# Altium PCB PCB.PcbDoc (part 3 of 3)
Units mm, origin at the board's own origin, x right, y up, seen from the top; angles counter-clockwise.
Board outline 125.05 x 120.1 mm, 2 copper layers (L1_Top, L14_Bot), stack 1.671 mm thick; 216 components, 143 nets, 610 pads, 970 vias.
Unrouted connection lines stored in the file: 121.
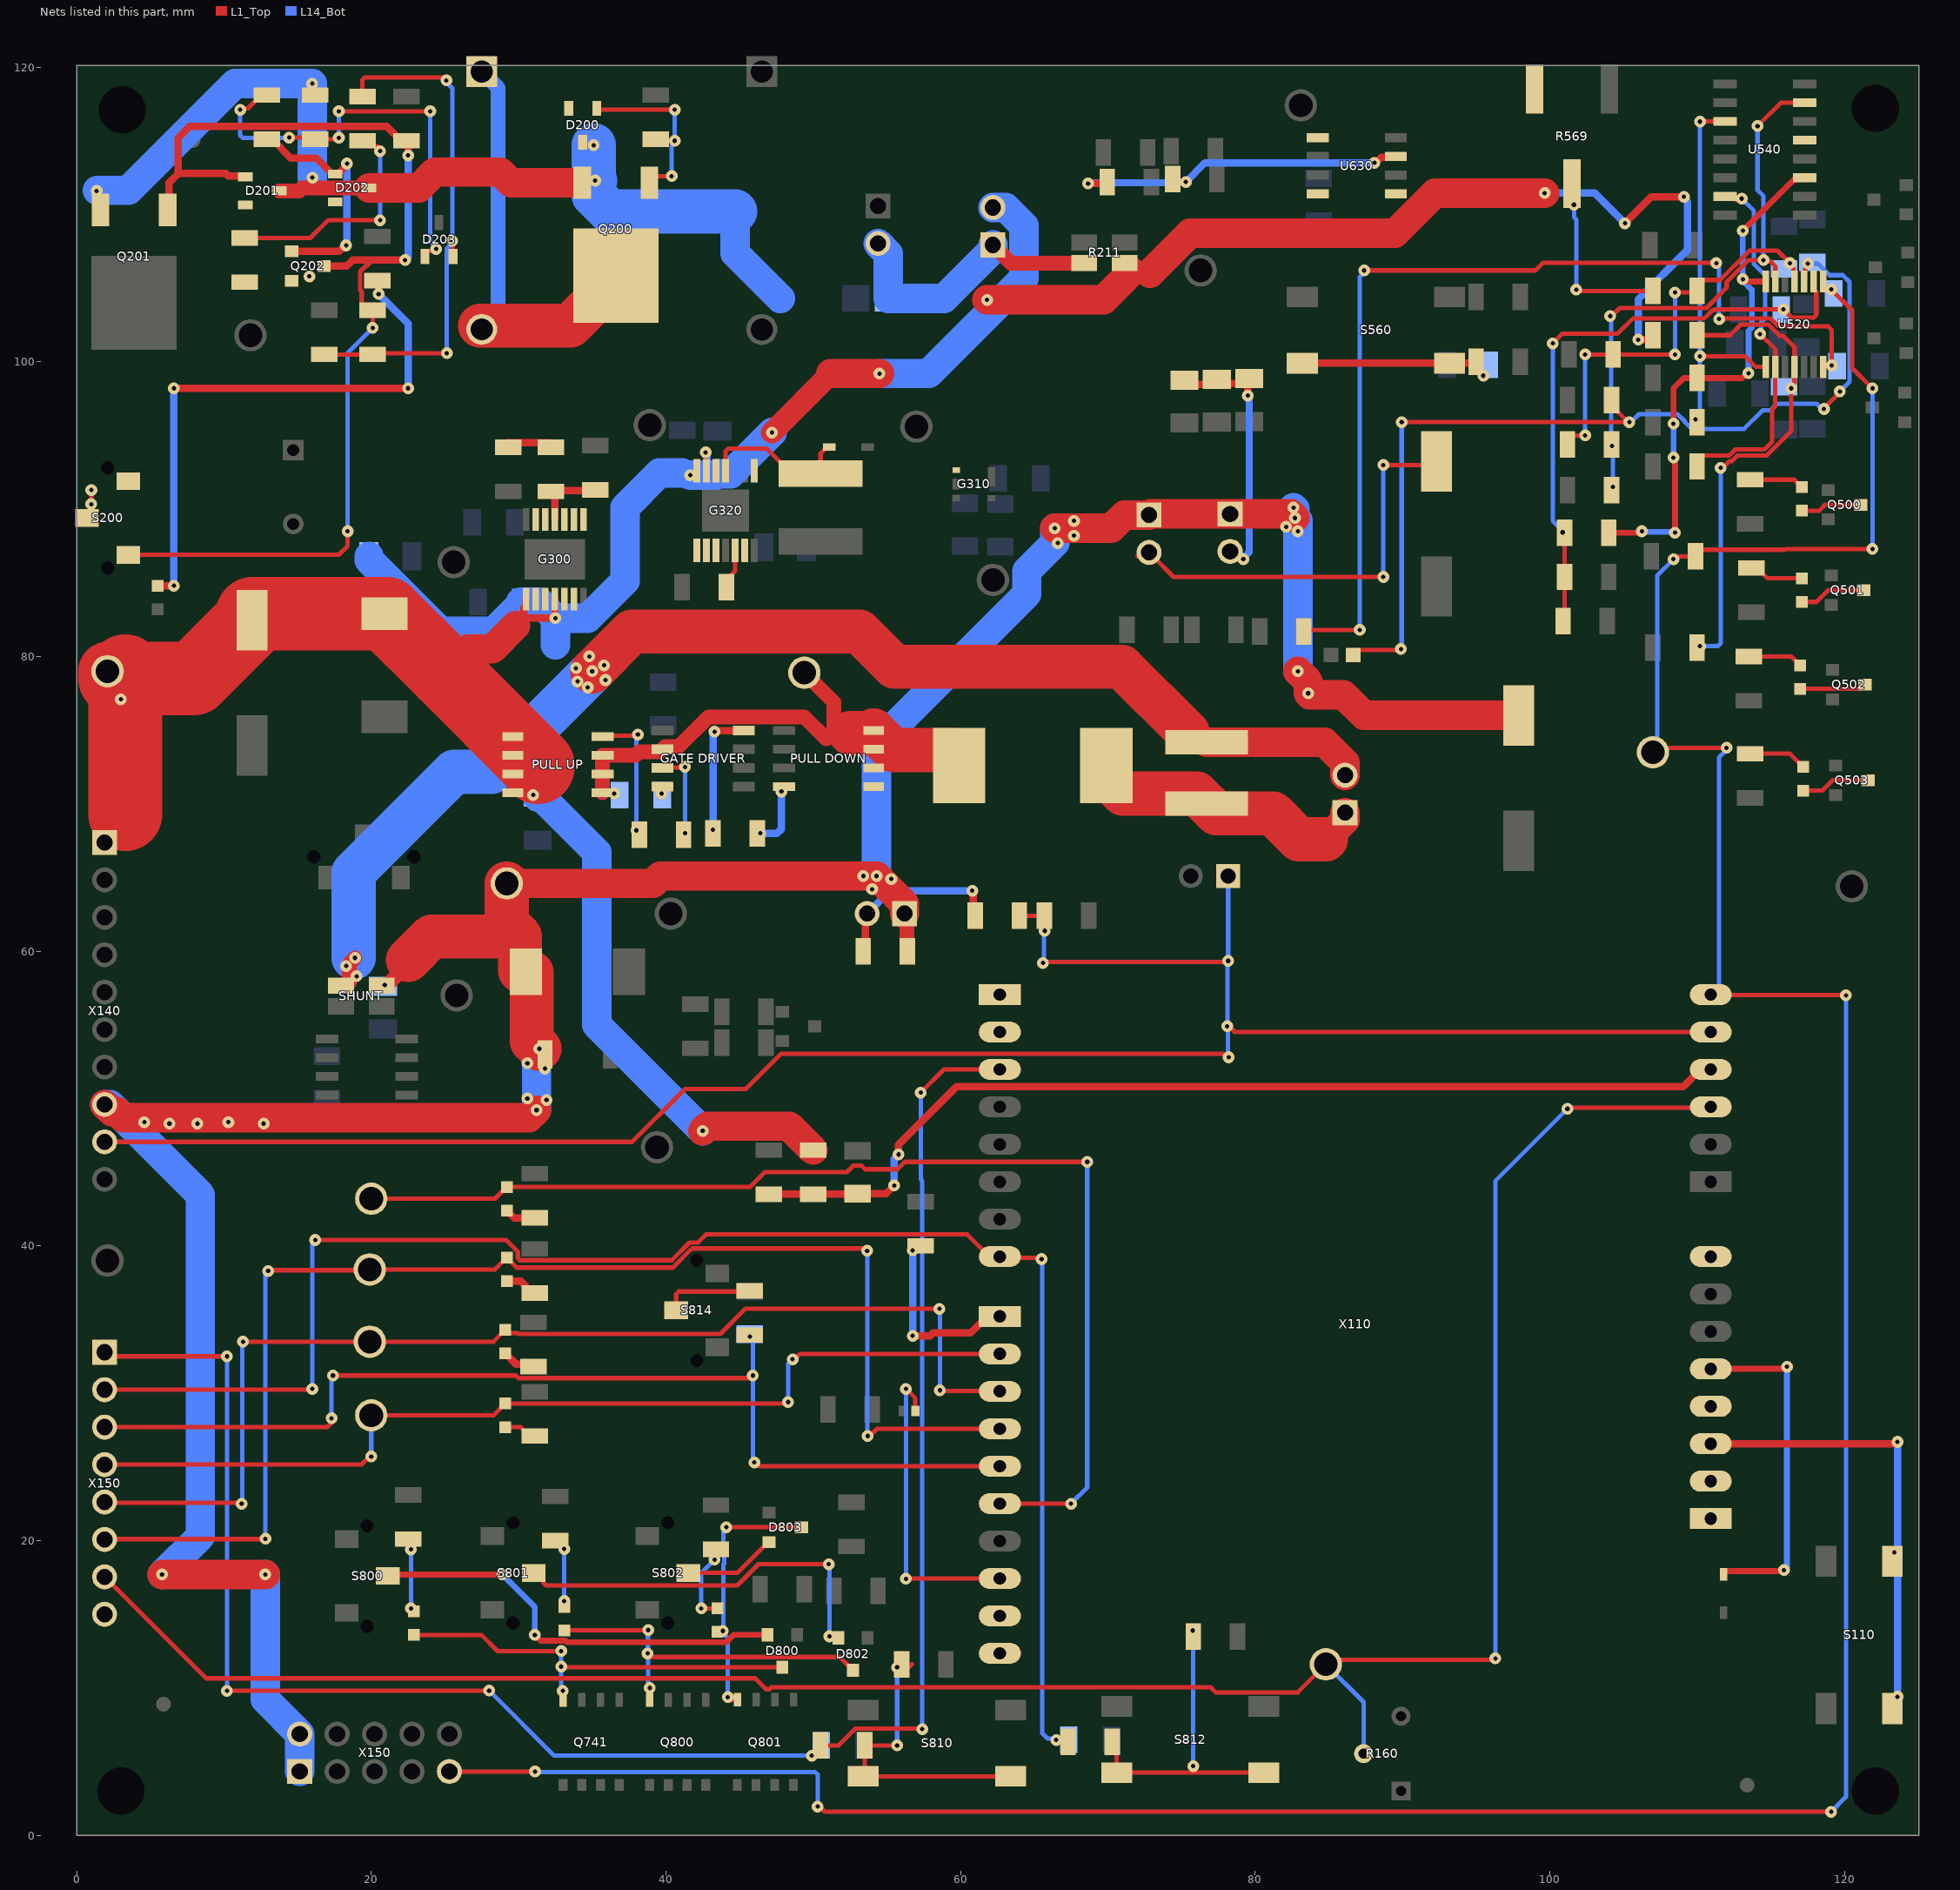
[diagram p3: the nets of this part, all layers, seen from the top]

## Via types
v1: diameter 0.8, hole 0.3, L1_Top to L14_Bot, tented both sides, 970 vias

## Nets (pads, with @x,y where several pads share a name; then routed paths per layer and width w, separated by ;. In a path a pad name is that pad's centre, name@x,y a point inside that pad or via, vN(x,y) a via of type N, cw(c..) or ccw(c..) an arc to the next point about the centre after c; other vN are vias at no path point) (continued)
NetC500_1: C500.1 R507.2 S560.1 S560.2 | length 13
  L1_Top w0.5: S560.2@83.201,99.899 S560.1@93.201,99.899 94.901,99.899 R507.2@95.001,99.999 95.001,99.548 v1(95.493,99.056)
NetC506_2: C506.2 R506.2 U520.7 | length 67.5
  L1_Top w0.3: R506.2@83.301,81.699 83.401,81.799 v1(87.101,81.799) ; v1(87.401,106.199) 99.033,106.199 99.552,106.718 111.281,106.718 v1(111.301,106.699) ; v1(111.501,102.899) 111.501,102.799 111.632,102.93 115.001,102.93 115.532,102.399 118.901,102.399 119.139,102.161 v1(119.139,99.749) ; U520.7@118.563,99.649 118.563,99.724 118.638,99.799 v1@119.101,99.799
  L14_Bot w0.3: v1(87.101,81.799) 87.101,105.763 87.401,106.063 v1(87.401,106.199) ; v1(111.301,106.699) 111.501,106.499 v1(111.501,102.899)
NetC521_2: C521.2 R510.2 R511.2 U520.4 | length 32.5
  L1_Top w0.3: R510.2@110.001,101.799 112.24,101.799 112.971,102.53 114.835,102.53 115.603,101.761 115.844,101.761 116.613,100.993 116.613,98.546 116.401,98.334 116.401,95.314 114.736,93.649 112.765,93.649 112.365,93.249 112.186,93.249 111.736,92.799 v1(111.601,92.799)
  L14_Bot w0.3: v1(110.201,80.699) 111.401,80.699 111.601,80.899 v1(111.601,92.799)
  other v1: 116.401,98.199
NetC710_2: C710.2 C711.2 C712.2 J710.2 | length 18.1
  L1_Top w0.5: C711.2@75.101,98.449 75.126,98.474 77.276,98.474 77.326,98.524 79.476,98.524 C712.2@79.5,98.548 ; J710.2@78.3,87.13 78.589,87.13 79.119,86.6 v1(79.2,86.6) ; v1(79.5,97.7) C712.2@79.5,98.548 ; C712.2@79.601,98.849 79.5,98.748 C712.2@79.5,98.548
  L14_Bot w0.5: v1(79.2,86.6) 79.2,86.681 79.6,87.081 79.6,97.519 79.5,97.619 v1(79.5,97.7)
NetC715_1: C715.1 J715.2 | length 28.6
  L1_Top w0.3: J715.2@72.001,86.799 73.061,86.799 74.461,85.399 v1(88.701,85.399) ; v1(88.701,92.999) 92.051,92.999 C715.1@92.301,93.249
  L14_Bot w0.3: v1(88.701,85.399) v1(88.701,92.999)
NetD112_1: D112.1 X110.5A | length 23.4
  L1_Top w0.4: X110.5A@110.93,31.652 115.952,31.652 v1(116.1,31.8) ; D112.1@111.8,17.7 111.8,17.873 111.85,17.923 115.823,17.923 v1(115.9,18)
  L14_Bot w0.4: v1(115.9,18) 116.1,18.2 v1(116.1,31.8)
NetD200_2: D200.2
NetD201_2: D201.2
NetD202_2: D202.2
NetD210_1: D210.1 R210.1 | length 38.8
  L1_Top w0.5: D210.1@5.501,84.799 v1(6.601,84.799) ; v1(6.601,98.199) 22.401,98.199 22.501,98.099 v1(22.501,98.199) ; v1(20.5,104.6) R210.1@20.5,105.475
  L1_Top w1: R210.1@20.4,105.5 20.475,105.5 R210.1@20.5,105.475
  L14_Bot w0.5: v1(6.601,84.799) v1(6.601,98.199) ; v1(20.5,104.6) 22.501,102.599 v1(22.501,98.199)
NetD320_1: D320.1 G320.11 L320.1 | length 10.7
  L1_Top w0.3: G320.11@44.051,92.599 44.051,93.923 44.226,94.099 46.851,94.099 48.551,92.399 L320.1@50.501,92.399 50.501,93.774 50.926,94.199 D320.1@51.101,94.199
NetD502_1: D502.1 R552.2 | length 3.7
  L1_Top w0.3: R552.2@113.701,85.999 114.076,85.999 114.776,85.299 D502.1@117.101,85.299
NetD502_2: D502.2 Q501.3 | length 4.5
  L1_Top w0.3: D502.2@117.101,83.699 118.097,83.699 118.897,84.499 Q501.3@121.301,84.499
NetD503_1: D503.1 R553.2 | length 3.7
  L1_Top w0.3: R553.2@113.501,79.999 116.401,79.999 D503.1@117.001,79.399
NetD503_2: D503.2 Q502.3 | length 4.5
  L1_Top w0.3: D503.2@117.001,77.799 121.051,77.799 121.351,78.099 Q502.3@121.401,78.099
NetD504_1: D504.1 R554.1 | length 4
  L1_Top w0.3: R554.1@113.601,73.399 116.301,73.399 D504.1@117.201,72.499
NetD504_2: D504.2 Q503.3 | length 4.7
  L1_Top w0.3: D504.2@117.201,70.899 118.497,70.899 119.197,71.599 Q503.3@121.601,71.599
NetD550_1: D550.1 R551.1 | length 3.7
  L1_Top w0.3: R551.1@113.601,91.999 116.601,91.999 D550.1@117.101,91.499
NetD550_2: D550.2 Q500.3 | length 4.2
  L1_Top w0.3: D550.2@117.101,89.899 118.297,89.899 118.697,90.299 Q500.3@121.101,90.299
NetD741_1: D741.1 R800.1 | length 4.8
  L1_Top w0.3: R800.1@22.5,20.1 22.7,19.9 v1(22.7,19.4)
  L14_Bot w0.3: v1(22.7,15.4) v1(22.7,19.4)
NetD741_2: D741.2 D800.3 Q741.4 | length 28.8
  L1_Top w0.3: D741.2@22.9,13.6 27.475,13.6 28.575,12.5 v1(32.9,12.5) ; v1(32.9,11.45) 32.95,11.4 D800.3@47.9,11.4 ; v1(33,9.8) 33.009,9.791 33.009,9.203 Q741.4@33.018,9.194
  L14_Bot w0.3: v1(32.9,12.5) 32.9,9.9 v1(33,9.8)
NetD801_1: D801.1 R801.1 | length 2.2
  L1_Top w0.3: D801.1@29.1,27.7 30.125,27.7 30.725,27.1 R801.1@31.1,27.1
NetD802_3: D802.3 D804.2 Q800.4 | length 25.2
  L1_Top w0.3: D804.2@33.1,13.9 33.115,13.915 38.785,13.915 v1(38.8,13.929) ; v1(38.761,12.348) 38.7,12.287 38.7,12.1 51.8,12.1 52.4,11.5 52.45,11.5 52.7,11.25 D802.3@52.7,11.2 ; Q800.4@38.895,9.194 38.898,9.196 38.898,9.998 v1(38.9,10)
  L14_Bot w0.3: v1(38.8,13.929) 38.781,13.91 38.781,12.367 38.8,12.348 38.8,10.1 v1(38.9,10)
NetD803_3: D803.3 D805.2 Q801.4 | length 17.7
  L1_Top w0.3: v1(44.1,20.9) D803.3@49.2,20.9 ; v1(44.203,9.374) 44.203,9.303 44.2,9.3 44.3,9.2 Q801.4@44.853,9.2
  L14_Bot w0.3: v1(43.869,13.869) 43.869,13.734 44.203,13.4 v1(44.203,9.374) ; v1@43.9,13.869 43.9,18.381 43.95,18.431 43.95,18.969 43.9,19.019 43.9,20.565 44.1,20.765 v1(44.1,20.9)
NetD804_1: D804.1 R802.1 | length 4.4
  L1_Top w0.3: R802.1@32.5,20 33.073,19.427 v1(33.108,19.427)
  L14_Bot w0.3: v1(33.1,15.9) 33.108,15.908 v1(33.108,19.427)
NetD805_1: D805.1 R803.1 | length 5.5
  L1_Top w0.3: v1(42.4,15.4) D805.1@43.5,15.4 ; v1(43.3,18.7) 43.3,19.3 R803.1@43.4,19.4
  L14_Bot w0.3: v1(42.4,15.4) 42.4,17.8 v1(43.3,18.7)
NetD806_1: D806.1 R804.1 | length 2.3
  L1_Top w0.5: D806.1@29.1,32.7 29.83,31.97 30.83,31.97 R804.1@31,31.8
NetD807_1: D807.1 R805.1 | length 2.4
  L1_Top w0.5: D807.1@29.2,37.6 30.157,37.6 30.45,37.307 30.45,37.075 30.725,36.8 R805.1@31.1,36.8
NetD808_1: D808.1 R806.1 | length 2.1
  L1_Top w0.5: D808.1@29.2,42.4 29.7,41.9 R806.1@31.1,41.9
NetG300_2: G300.2
NetG300_3: G300.3
NetG300_5: G300.5
NetG300_6: G300.6
NetG300_8: G300.8
NetG300_9: G300.9
NetG300_10: G300.10
NetG300_12: G300.12
NetG300_13: G300.13
NetG310_1: G310.1
NetG320_1: G320.1
NetG320_2: G320.2
NetG320_3: G320.3
NetG320_5: G320.5 R320.1 | length 1.8
  L1_Top w0.3: R320.1@44.401,85.499 44.701,85.799 G320.5@44.701,87.199
NetG320_6: G320.6
NetG320_8: G320.8
NetG320_12: G320.12
NetJ211_1: J211.1 J219.2 R211.2 R219.2 | length 19.5
  L1_Top w1: J211.1@62.2,107.93 63.43,106.7 R211.2@68.4,106.7
  L14_Bot w2: J219.2@54.4,108.03 55.1,107.33 R219.2@55.1,104.3 58.87,104.3 62.2,107.63 J211.1@62.2,107.93
NetJ421_1: J421.1 L420.2 L421.1 | length 19.8
  L1_Top w2: 84.8,67.6 86.1,68.9 J421.1@86.1,69.4
  L1_Top w3: L420.2@69.901,72.599 69.901,71.824 71.024,70.7 76.025,70.7 77.375,69.35 81.212,69.35 82.962,67.6 84.8,67.6
NetJ421_2: J421.2 L421.2 SHUNT.1 | length 85.6
  L1_Top w0.5: 84.599,73.6 84.801,73.399
  L1_Top w1: SHUNT.1@17.951,57.659 18.276,57.659 18.5,57.884 18.5,59.146 v1(18.9,59.546)
  L1_Top w2: L421.2@76.7,74.175 84.715,74.175 86.1,72.79 J421.2@86.1,71.94
  L1_Top w3: v1(35,79) 37.699,81.699 53.125,81.699 55.525,79.299 70.951,79.299 L421.2@75.4,74.85
  L14_Bot w3: v1@18.8,59.546 18.8,65.339 25.631,72.169 28.169,72.169 v1(35,79)
  other v1: 19,58.3 18.3,59 34.7,77.9 34,78.3 35.9,78.4 33.9,79.2 35.8,79.4 34.8,80
NetQ400_4: "PULL UP.4" R400.1 | length 9.1
  L1_Top w0.3: 35.527,74.499 35.662,74.634 38.036,74.634 v1(38.101,74.699)
  L14_Bot w0.3: v1(38.001,68.199) v1@38.001,74.599
NetQ401_4: "PULL DOWN.4" R401.1 | length 4.3
  L1_Top w0.5: R401.1@46.201,67.999 v1(46.401,67.999)
  L14_Bot w0.5: v1(46.401,67.999) 47.552,67.999 47.845,68.292 v1(47.845,70.833)
NetR112_2: R112.2 X110.1C | length 12.3
  L1_Top w0.5: v1(56.75,33.9) 57.95,33.9 58.15,34.1 60.7,34.1 61.347,34.747 62.209,34.747 X110.1C@62.67,35.208
  L14_Bot w0.5: v1(56.75,33.9) v1(56.75,39.7)
NetR204_2: R204.2 R205.2 | length 16
  L1_Top w0.3: R204.2@11.4,108.4 15.858,108.4 17.058,109.6 v1(20.6,109.6) ; R205.2@19.401,114.999 19.776,114.624 20.425,114.624 20.425,114.61 20.601,114.434 v1(20.601,114.299)
  L14_Bot w0.3: v1(20.6,109.6) v1(20.601,114.299)
NetR301_2: R301.2 R302.2 | length 2.9
  L1_Top w0.5: R301.2@29.201,94.499 R302.2@32.101,94.499
NetR400_2: "GATE DRIVER.7" R400.2 | length 6.2
  L1_Top w0.3: 39.771,72.429 39.806,72.464 41.266,72.464 v1(41.301,72.499) ; R400.2@41.201,67.899 v1(41.301,67.999)
  L14_Bot w0.3: v1(41.301,67.999) v1(41.301,72.499)
NetR401_2: "GATE DRIVER.4" R401.2 | length 8.9
  L1_Top w0.5: v1(43.301,74.899) 43.382,74.899 43.452,74.969 45.301,74.969
  L14_Bot w0.5: v1@43.201,67.999 v1@43.201,74.899
  other v1: 43.201,68.255
NetR561_1: R561.1 R569.2 | length 11.1
  L1_Top w0.3: v1(101.801,104.899) 101.901,104.799 R561.1@107.001,104.799
  L14_Bot w0.3: v1(101.641,110.658) 101.651,110.649 101.651,109.808 101.801,109.658 v1(101.801,104.899)
NetR569_3: R569.3
NetR810_1: R810.1 R811.1 S810.1 S810.2 | length 20.7
  L1_Top w0.3: v1(55.7,6.1) R811.1@53.5,6.1 53.5,4.1 S810.2@53.4,4 S810.1@63.4,4 ; v1(55.7,11.4) 56.5,11.4 56.7,11.6
  L14_Bot w0.3: v1(55.7,6.1) v1(55.7,11.4)
NetR812_1: R812.1 R813.1 S812.1 S812.2 | length 22
  L1_Top w0.3: R813.1@70.3,6.336 70.6,6.036 S812.2@70.6,4.25 75.718,4.25 ; v1(75.8,4.7) 75.8,4.332 75.718,4.25 ; S812.1@80.6,4.25 75.718,4.25
  L14_Bot w0.3: v1(75.75,13.9) 75.75,13.765 75.9,13.615 75.9,13.6 75.8,13.5 v1(75.8,4.7)
NetR814_1: R814.1 S814.2 | length 6.2
  L1_Top w0.3: S814.2@40.7,35.623 40.7,36.724 40.876,36.9 45.65,36.9 R814.1@45.7,36.95
NetS200_3: S200.3
NetU540_13: U540.13
NetU630_1: U630.1
NetU630_5: U630.5
NetU630_8: U630.8
Netw-: R720.1 R721.2 X720.2 | length 12.2
  L1_Top w0.5: R720.1@53.4,60 53.53,60.13 53.53,62.418 X720.2@53.661,62.549 ; v1(60.8,64.1) 60.857,64.043 60.857,62.542 R721.2@61.001,62.399
  L14_Bot w0.5: X720.2@53.661,62.549 55.212,64.1 v1(60.8,64.1)
NetX100_1: Q200.2 X100.1 X100.2 | length 29.2
  L1_Top w3: X100.2@27.401,102.449 33.501,102.449 36.601,105.549 Q200.2@36.601,105.849
  L14_Bot w1: X100.2@27.501,102.199 27.501,102.235 28.6,103.335 28.6,118.599 X100.1@27.501,119.699
NetX105_1: X105.1 X110.8C | length 21.3
  L1_Top w0.3: v1(56.3,17.4) 56.328,17.428 X110.8C@62.67,17.428 ; v1(56.3,30.3) 56.934,29.666 X105.1@56.934,28.8
  L14_Bot w0.3: v1(56.3,17.4) 56.3,30 56.5,30.2 56.4,30.2 v1(56.3,30.3)
NetX110_1A: X110.1A
NetX110_1D: X110.1D
NetX110_2A: X110.2A
NetX110_2D: X110.2D
NetX110_4A: X110.4A
NetX110_8A: X110.8A
NetX110_9C: X110.9C
NetX110_10C: X110.10C
NetX150_8: X150.8@1.9,15
NINV_TLV197: R631.2 R632.1 U630.3 | length 24
  L1_Top w0.5: v1(68.661,112.1) 69.861,112.1 R631.2@69.961,112.2 ; R632.1@74.4,112.4 74.6,112.2 v1(75.3,112.2) ; v1(88.101,113.499) 88.182,113.499 88.567,113.884 89.501,113.884 U630.3@89.551,113.934
  L14_Bot w0.5: v1(68.661,112.1) 68.711,112.15 75.25,112.15 76.599,113.499 v1(88.101,113.499)
NTC_ext: C533.2 R532.1 TP532.1 U520.8 X110.6B X150.9 | length 231
  L1_Top w0.3: X150.9@25.303,4.33 v1(31.118,4.33) ; v1(50.3,1.95) 50.435,1.95 50.785,1.6 v1(119.1,1.6) ; TP532.1@107.001,73.499 107.302,73.8 v1(112,73.8) ; v1(108.401,86.599) 108.601,86.799 R532.1@109.901,86.799 109.901,86.871 110.276,87.246 115.947,87.246 115.999,87.299 v1(121.901,87.299) ; X110.6B@110.93,57.052 110.956,57.026 120.074,57.026 v1(120.1,57) ; U520.8@118.563,105.449 118.563,104.982 118.638,104.907 v1(119.113,104.907) 120.521,103.498 120.521,99.578 v1(121.901,98.199)
  L14_Bot w0.3: v1(31.118,4.33) 31.148,4.3 50.124,4.3 50.3,4.124 v1(50.3,1.95) ; TP532.1@107.3,73.275 107.3,85.498 v1(108.401,86.599) ; X110.6B@110.93,57.052 110.973,57.052 111.491,57.57 111.491,73.156 112,73.665 v1(112,73.8) ; v1(119.1,1.6) 120.1,2.6 v1(120.1,57) ; v1(121.901,87.299) v1(121.901,98.199)
NTC_Ext_Thresh: C530.2 R500.1 R502.2 R528.2 U520.9 | length 40.8
  L1_Top w0.3: v1(100.201,101.249) 100.851,101.899 104.601,101.899 105.651,102.949 110.495,102.949 111.045,103.499 111.182,103.499 111.232,103.549 111.77,103.549 111.81,103.508 111.854,103.552 v1(115.866,103.552) 116.419,103 117.912,103 118.088,103.176 118.088,104.673 118.088,104.749 117.913,104.924 U520.9@117.913,105.449 ; v1(100.876,88.425) 100.975,88.425 R528.2@101.001,88.399 R502.2@101.001,85.399 101.001,82.499 R500.1@100.901,82.399
  L14_Bot w0.3: v1(100.201,101.249) 100.201,89.186 100.876,88.511 v1(100.876,88.425)
NTC_Int: C561.2 NTC.2 R562.1 U520.10 | length 65
  L1_Top w0.3: NTC.2@86.65,80.1 87,80.45 89.852,80.45 v1(89.901,80.499) ; v1(89.947,95.899) v1@105.326,95.899 ; R562.1@104.201,97.399 104.201,97.024 v1@105.326,95.899 ; v1(105.401,95.899) v1@105.326,95.899 ; U520.10@117.263,105.449 117.338,105.524 117.338,106.326 117.515,106.503 v1(117.515,106.668) ; v1(118.613,96.795) 118.613,96.853 119.691,97.931 v1(119.691,97.989)
  L14_Bot w0.3: v1(89.901,80.499) 89.947,80.545 v1(89.947,95.899) ; v1(105.401,95.899) 105.503,95.899 106.053,96.449 108.67,96.449 109.151,95.968 109.151,95.929 109.632,95.449 113.185,95.449 114.435,96.699 114.966,96.699 115.416,97.149 118.124,97.149 118.477,96.795 v1(118.613,96.795) ; v1(117.515,106.668) 118.194,106.668 118.987,105.874 119.891,105.874 120.351,105.414 120.351,98.649 v1(119.691,97.989)
NTC_Int_Thresh: C560.2 R560.2 R561.2 R564.2 U520.11 | length 28.3
  L1_Top w0.3: R564.2@101.201,94.399 101.201,94.624 101.576,94.999 v1(102.401,94.999) ; v1(102.401,100.499) R560.2@104.301,100.499 v1(108.501,100.499) ; v1(108.501,104.699) 109.901,104.699 R561.2@110.001,104.799 110.001,105.174 110.376,105.549 111.566,105.549 113.566,107.549 115.451,107.549 v1(116.301,106.699) 116.301,106.563 116.538,106.326 116.538,105.524 U520.11@116.613,105.449
  L14_Bot w0.3: v1(102.401,94.999) v1(102.401,100.499) ; v1(108.501,100.499) v1(108.501,104.699)
Ov_Gate: D202.1 Q202.1 R203.1 | length 16.2
  L1_Top w0.5: R203.1@12.901,115.099 13.276,115.099 14.563,113.812 16.288,113.812 17.3,112.8 17.7,112.8 17.75,112.75 18.293,113.293 18.293,113.391 v1(18.351,113.449) ; Q202.1@14.6,107.5 17.821,107.5 18.22,107.899 v1(18.301,107.899)
  L14_Bot w0.5: v1(18.301,107.899) 18.351,107.949 v1(18.351,113.449)
Overcurr: R501.1 U520.1 U540.3 | length 26.8
  L1_Top w0.3: v1(110.201,100.376) 113.255,100.376 113.983,99.649 U520.1@114.663,99.649 ; v1(110.201,116.299) 110.206,116.304 U540.3@111.901,116.304
  L14_Bot w0.3: v1(109.901,96.099) 110.201,96.399 v1(110.201,100.376) v1(110.201,116.299)
Overtemp_Ext: R527.1 R528.1 U520.14 U540.11 | length 37.3
  L1_Top w0.4: R528.1@104.001,88.399 106.043,88.399 106.143,88.499 v1(106.251,88.499) ; v1(108.401,93.499) 108.501,93.399 v1(108.501,88.399) ; v1(108.401,95.799) 108.401,98.199 109.101,98.899 113.065,98.899 113.385,99.219 v1(113.493,99.219) ; v1(113.101,105.599) 113.251,105.449 U520.14@114.663,105.449 ; v1(113.101,108.899) 116.596,112.394 117.201,112.394 U540.11@117.301,112.494
  L14_Bot w0.4: v1(106.251,88.499) 106.301,88.449 108.451,88.449 v1(108.501,88.399) ; v1(108.401,93.499) v1(108.401,95.799) ; v1(113.101,108.899) 113.101,105.49 113.713,104.878 113.713,102.315 113.493,102.096 v1(113.493,99.219)
Overtemp_Int: R564.1 R565.1 U520.13 U540.15 | length 39.3
  L1_Top w0.3: v1(104.101,103.099) 104.203,103.099 104.753,103.649 110.629,103.649 112.008,105.027 112.008,105.425 113.482,106.899 v1(114.513,106.899) 114.608,106.803 114.996,106.803 115.313,106.487 U520.13@115.313,105.449 ; R565.1@104.201,91.299 104.201,91.418 v1(104.291,91.509) ; v1(114.101,115.999) 115.676,117.574 U540.15@117.301,117.574
  L14_Bot w0.3: v1(104.101,103.099) 104.163,103.037 104.163,94.337 v1(104.225,94.275) 104.201,94.251 104.201,93.999 104.291,93.908 v1(104.291,91.509) ; v1(114.101,115.999) 114.101,111.655 114.513,111.243 v1(114.513,106.899)
Pwr_Gate: D201.1 Q201.1 Q202.3 R209.2 R214.2 S200.1 | length 76.2
  L1_Top w0.3: S200.1@3.501,86.899 17.801,86.899 18.4,87.498 v1(18.4,88.5) ; 20.085,106.899 19.7,106.514 19.635,106.514 19.25,106.129 19.25,104.871 19.351,104.771 19.351,103.874 19.726,103.499 R214.2@20.101,103.499 v1(20.101,102.299)
  L1_Top w0.5: Q201.1@6.18,110.3 6.274,110.394 6.274,112.15 6.901,112.777 ; D201.1@11.45,112.55 11.4,112.6 10.314,112.6 10.137,112.777 6.901,112.777 ; Q202.3@16.8,106.5 18.343,106.5 18.742,106.899 20.085,106.899 v1(22.301,106.899) ; v1(22.501,113.999) 22.501,114.899 R209.2@22.401,114.999 22.026,114.999 21.051,115.974 7.674,115.974 6.901,115.201 6.901,112.777
  L14_Bot w0.3: v1(18.4,88.5) 18.4,100.598 v1(20.101,102.299)
  L14_Bot w0.5: v1(22.301,106.899) 22.501,107.099 v1(22.501,113.999)
Reset: S110.3 S110.4 X110.3A | length 29.7
  L1_Top w0.5: X110.3A@110.93,26.572 123.472,26.572 v1(123.6,26.7)
  L14_Bot w0.5: v1@123.6,9.7 v1(123.6,26.7)
  other v1: 123.6,9.4 123.4,19.2
RevPolGate: D200.1 Q200.1 R200.2 | length 13
  L1_Top w0.3: D200.1@35.301,117.199 35.401,117.099 v1(40.601,117.099) ; Q200.1@38.881,112.149 Q200.1@38.881,112.149 39.331,112.6 v1(40.4,112.6) ; R200.2@39.301,115.099 39.401,114.999 v1(40.601,114.999)
  L14_Bot w0.3: v1(40.4,112.6) 40.4,114.663 40.601,114.863 v1(40.601,117.099)
Switch1: D800.2 S800.2 | length 29
  L1_Top w0.4: S800.2@21.123,17.6 21.223,17.7 v1(28.9,17.7) ; v1(31.1,13.6) 31.5,13.2 33.19,13.2 33.29,13.1 44.09,13.1 44.59,13.6 D800.2@46.9,13.6
  L14_Bot w0.4: v1(28.9,17.7) 31.1,15.5 v1(31.1,13.6)
Switch2: D802.2 S801.2 | length 26.7
  L1_Top w0.3: S801.2@31.023,17.8 31.223,17.8 31.673,17.35 31.673,17.15 31.873,16.95 44.85,16.95 46.3,18.4 v1(51.05,18.4) ; v1(51.1,13.5) 51.6,13.5 D802.2@51.7,13.4
  L14_Bot w0.3: v1(51.05,18.4) 51.1,18.35 v1(51.1,13.5)
Switch3: D803.2 S802.2 | length 6.3
  L1_Top w0.3: S802.2@41.523,17.8 44.85,17.8 46.95,19.9 D803.2@47,19.9
TL431ref: D203.2 R205.1 R212.1 R214.1 | length 35.3
  L1_Top w0.3: R212.1@16.801,100.499 R214.1@20.101,100.499 20.179,100.577 v1(25.133,100.577) ; R205.1@19.401,117.999 19.401,119.123 19.576,119.299 24.899,119.299 v1(25.101,119.099) v1(25.101,119.099) ; v1(25.5,108.2) 25.525,108.175 25.525,107.175 D203.2@25.55,107.15
  L14_Bot w0.3: v1(25.101,119.099) 25.101,118.963 25.5,118.564 25.5,108.065 25.133,107.697 v1(25.133,100.577)
Undervolt: R509.1 U520.2 U540.7 | length 25.1
  L1_Top w0.3: R509.1@110.001,92.899 110.001,93.274 110.376,93.649 112.199,93.649 112.599,94.049 114.57,94.049 115.101,94.579 115.101,96.768 115.301,96.968 115.301,99.637 U520.2@115.313,99.649 115.313,100.849 114.282,101.88 v1(114.267,101.88) ; U540.7@111.901,111.224 112.401,111.224 112.668,110.957 112.687,110.976 112.935,110.976 v1(113.031,111.071)
  L14_Bot w0.3: v1(113.031,111.071) 113.863,110.239 113.863,106.629 114.617,105.875 114.617,102.941 114.363,102.687 114.363,101.975 v1(114.267,101.88)
UserBtn1: C811.2 R811.2 X110.3D X150.1@1.9,32.78 | length 130.3
  L1_Top w0.3: X150.1@1.9,32.78 2.18,32.5 v1(10.2,32.5) ; v1(10.2,9.8) 10.21,9.81 27.993,9.81 v1(28.003,9.82) ; v1(49.9,5.4) 50.023,5.4 50.5,5.877 R811.2@50.5,6.1 51.721,6.1 52.871,7.25 57.35,7.25 v1(57.4,7.2) ; v1(57.3,50.4) 58.872,51.972 X110.3D@62.67,51.972
  L14_Bot w0.3: v1(10.2,9.8) v1(10.2,32.5) ; v1(28.003,9.82) 32.423,5.4 v1(49.9,5.4) ; v1(57.3,50.4) 57.3,44.519 57.4,44.419 v1(57.4,7.2)
UserBtn2: C813.2 R813.2 X110.8D X150.2@1.9,30.24 | length 110
  L1_Top w0.3: X150.2@1.9,30.24 15.94,30.24 v1(16,30.3) ; v1(16.2,40.4) 29.154,40.4 29.95,39.604 29.95,39.171 30.096,39.025 40.405,39.025 41.603,40.223 42.169,40.223 42.721,40.775 60.455,40.775 61.958,39.272 X110.8D@62.67,39.272 62.756,39.186 65.414,39.186 v1(65.5,39.1) ; v1(66.5,6.466) 67.17,6.466 R813.2@67.3,6.336
  L14_Bot w0.3: v1(16,30.3) 16,40.2 v1(16.2,40.4) ; v1(65.5,39.1) 65.55,39.05 65.55,6.931 65.919,6.562 66.404,6.562 v1(66.5,6.466)
UserLED1: D801.2 X110.2C X150.4@1.9,25.16 X801.1 | length 67
  L1_Top w0.3: X150.4@1.9,25.16 19.338,25.16 19.878,25.7 v1(20,25.7) ; X801.1@20,28.5 28.3,28.5 D801.2@29.1,29.3 48.2,29.3 v1(48.3,29.4) ; v1(48.6,32.3) 48.735,32.3 49.103,32.668 X110.2C@62.67,32.668
  L14_Bot w0.3: v1(20,25.7) X801.1@20,28.5 ; v1(48.3,29.4) 48.3,32 v1(48.6,32.3)
UserLED2: D806.2 X110.3C X150.5@1.9,22.62 X806.1 | length 78.5
  L1_Top w0.3: X150.5@1.9,22.62 1.96,22.56 11.14,22.56 v1(11.2,22.5) ; v1(11.3,33.5) 28.3,33.5 D806.2@29.1,34.3 29.329,34.071 29.95,34.071 29.996,34.025 43.693,34.025 45.398,35.73 v1(58.57,35.73) ; v1(58.6,30.2) 58.636,30.164 62.634,30.164 X110.3C@62.67,30.128
  L14_Bot w0.3: v1(11.2,22.5) 11.25,22.55 11.25,33.45 v1(11.3,33.5) ; v1(58.57,35.73) 58.6,35.7 v1(58.6,30.2)
UserLED3: D807.2 X110.4C X150.6@1.9,20.08 X805.1 | length 92.9
  L1_Top w0.3: X150.6@1.9,20.08 1.919,20.099 12.803,20.099 v1(12.821,20.117) ; v1(13,38.3) 13.05,38.35 19.85,38.35 X805.1@19.9,38.4 28.4,38.4 D807.2@29.2,39.2 29.874,38.526 40.471,38.526 41.769,39.823 53.371,39.823 53.524,39.67 v1(53.66,39.67) ; v1(53.7,27.1) 53.835,27.1 54.323,27.588 X110.4C@62.67,27.588
  L14_Bot w0.3: v1(12.821,20.117) 12.821,37.986 13,38.165 v1(13,38.3) ; v1(53.66,39.67) 53.68,39.65 53.68,27.12 v1(53.7,27.1)
UserLED4: D808.2 X110.6C X808.1 | length 78.3
  L1_Top w0.3: X808.1@20,43.2 28.4,43.2 D808.2@29.2,44 45.723,44 46.723,45 52.281,45 52.731,45.45 53.269,45.45 53.519,45.2 55.719,45.2 56.219,45.7 v1(68.6,45.7) ; X110.6C@62.67,22.508 62.674,22.504 67.496,22.504 v1(67.5,22.5)
  L14_Bot w0.3: v1(67.5,22.5) 68.6,23.6 v1(68.6,45.7)
UserPot1: R160.2 UserPot1.1 X110.3B X150.7@1.9,17.54 | length 154.9
  L1_Top w0.3: X150.7@1.9,17.54 8.79,10.65 46.052,10.65 46.79,9.912 47.039,9.912 47.177,10.05 76.969,10.05 77.319,9.7 82.9,9.7 85.104,11.904 96.204,11.904 v1(96.3,12) ; v1(101.2,49.3) 101.266,49.366 110.864,49.366 X110.3B@110.93,49.432
  L14_Bot w0.3: UserPot1.1@84.8,11.6 87.36,9.04 R160.2@87.36,5.54 ; v1(96.3,12) 96.3,44.4 v1(101.2,49.3)
UserSw: C814.2 R814.2 X110.5C X150.3@1.9,27.7 | length 73
  L1_Top w0.3: X150.3@1.9,27.7 17,27.7 17.3,28 v1(17.3,28.3) ; v1(17.4,31.2) 29.821,31.2 29.996,31.025 45.59,31.025 45.765,31.2 v1(45.9,31.2) ; v1(46,25.3) 46.135,25.3 46.387,25.048 X110.5C@62.67,25.048
  L14_Bot w0.3: v1(17.3,28.3) 17.3,31.1 v1(17.4,31.2) ; C814.2@45.7,34 45.9,33.8 v1(45.9,31.2) 45.9,25.4 v1(46,25.3)
  other v1: 45.7,33.85
VA: G300.11 R302.1 R303.2 | length 5
  L1_Top w0.5: G300.11@32.451,89.299 32.451,90.949 R302.1@32.201,91.199 32.256,91.254 R303.2@35.146,91.254
VB_Buck: "GATE DRIVER.8" C402.2 | length 0.5
  L1_Top w0.3: v1(39.701,70.699) 39.701,71.089 39.771,71.159
Vin: "PULL UP.5" "PULL UP.6" "PULL UP.7" "PULL UP.8" C212.1 C213.2 C220.1 C300.2 C320.2 C321.2 C404.2 D211.1 G300.1 G300.4 G320.13 G320.14 J211.2 R211.1 R220.1 R510.1 TP211.1 X140.1 | length 224.5
  L1_Top w0.3: v1(42.701,93.849) 42.726,93.824 42.726,92.624 G320.13@42.751,92.599
  L1_Top w0.5: 30.373,82.893 30.373,83.307 30.501,83.434 G300.1@30.501,83.899 ; 30.666,82.6 v1(32.5,82.6) 32.475,82.625 32.475,83.874 G300.4@32.451,83.899 ; R211.1@71.15,106.7 R211.1@71.475,106.7 ; v1(105.1,109.4) 106.9,111.2 v1(109.1,111.2) ; v1(106,101.5) 106.726,101.5 107.001,101.775 R510.1@107.001,101.799
  L1_Top w1.5: v1(47.2,95.2) 51.2,99.2
  L1_Top w2: 25.004,78.925 26.592,80.513 28.213,80.513 29.8,82.1 ; v1(42.5,47.8) 42.824,48.124 48.376,48.124 R220.1@50.001,46.499 ; 51.2,99.2 v1(54.5,99.2) ; v1(61.8,104.2) 69.7,104.2 71.6,106.1 ; 72.864,106.014 75.579,108.729 89.492,108.729 92.207,111.444 v1(99.654,111.444)
  L1_Top w4: TP211.1@2.101,78.999 TP211.1@2.599,78.5
  L1_Top w5: TP211.1@2.599,78.5 7.952,78.5 C212.1@11.901,82.449 ; 3.301,69.299 3.301,78.999 ; C212.1@11.901,82.849 11.951,82.899 21.031,82.899 25.004,78.925 31.301,72.629 31.301,72.499
  L14_Bot w0.5: v1(42.701,93.849) 42.701,93.768 42.801,93.668 C321.2@42.801,92.799 ; v1(99.654,111.444) 103.056,111.444 v1(105.1,109.4) ; v1(106,101.5) 106,104.237 109.351,107.588 109.351,110.868
  L14_Bot w2: C213.2@19.851,86.799 19.851,86.543 24.694,81.7 28.306,81.7 30.15,83.544 C300.2@30.15,83.7 31.4,83.7 v1(32.5,82.6) ; C404.2@31.301,70.449 31.556,70.449 35.3,66.705 35.3,55 v1(42.5,47.8) ; 32.5,80.8 v1(32.5,82.6) ; C320.2@41.101,92.449 39.563,92.449 37.222,90.107 37.222,85.135 34.687,82.6 v1(32.5,82.6) ; v1(41.647,92.299) 43.401,92.299 C321.2@43.501,92.399 44.399,92.399 v1(47.2,95.2) ; v1(54.5,99.2) 57.833,99.2 64.3,105.667 64.3,109.227 63.057,110.47 J211.2@62.2,110.47
  other v1: 30.988,70.599 3,77.1
Vin_Meas: C221.2 R220.2 R221.1 X110.4B | length 68.9
  L1_Top w0.5: R221.1@47.001,43.499 47.026,43.524 52.976,43.524 C221.2@53.001,43.549 54.949,43.549 v1(55.5,44.1) ; v1(55.8,46.2) 55.8,46.883 59.728,50.811 109.057,50.811 110.218,51.972 X110.4B@110.93,51.972
  L14_Bot w0.5: v1(55.5,44.1) 55.5,45.907 55.793,46.2 v1(55.8,46.2)
Vin_RevPol: D200.3 D201.3 D202.3 Q200.3 Q201.3 Q202.2 R202.2 R204.1 S200.2 | length 69.2
  L1_Top w0.3: v1(0.993,90.337) 0.993,91.041 0.975,91.06 0.975,91.275 v1(1,91.3) ; v1(1.364,111.597) 1.364,110.556 Q201.3@1.62,110.3 ; 15.102,111.6 v1(16.001,112.499) ; D200.3@34.351,114.899 34.351,114.849 34.501,114.699 v1(35.101,114.699)
  L1_Top w1: D201.3@13.75,111.6 15.102,111.6 15.302,111.8 D202.3@19.85,111.8
  L1_Top w2: D202.3@19.85,111.8 23.233,111.8 24.308,112.875 28.751,112.875 29.477,112.149 Q200.3@33.921,112.149
  L14_Bot w2: v1@1.401,111.634 3.515,111.634 10.76,118.879 v1(15.994,118.879) ; v1(16.001,112.499) v1@16.001,118.873 ; 44.7,110.2 44.7,107.372 47.772,104.3
  L14_Bot w3: 35.101,111.299 36.199,110.2 44.7,110.2 ; v1(35.101,114.699) 35.101,112.399 v1(35.201,112.299)
  other v1: 15.8,105.8
Vout: C700.2 C701.1 D730.1 D731.1 J710.1 J715.1 R720.2 SHUNT.2 VOUT.1 X140.8 X150.1@15.143,4.33 X150.2@15.143,6.87 X720.1 | length 218.5
  L1_Top w0.2: X720.1@56.201,62.549 X720.1@56.4,62.349
  L1_Top w1: SHUNT.2@20.701,57.659 20.751,57.709 21.076,57.709 22.5,59.134 22.5,59.4 ; R720.2@56.4,60 56.375,60.025 56.375,62.324 X720.1@56.4,62.349
  L1_Top w2: X140.8@1.901,49.599 2.391,49.109 2.75,49.109 3.159,48.7 30.704,48.7 v1(31.219,49.215) ; v1(5.8,17.7) v1(12.8,17.7) ; VOUT.1@29.201,64.599 39.128,64.599 39.629,65.1 v1(54.3,65.1) 56.201,63.199 X720.1@56.201,62.549 ; v1(66.4,88.7) 66.6,88.7 67.7,88.7 70.223,88.7 71.123,89.6 J715.1@72.8,89.6 72.87,89.67 82.431,89.67 v1(82.701,89.399) ; v1(82.9,79) 83.6,78.3 v1(83.6,77.5) ; v1@83.7,77.4 85.994,77.4 87.394,76 C701.1@97.9,76
  L1_Top w3: 22.5,59.4 24.1,61 30.101,61 ; VOUT.1@29.201,64.599 29.201,61.9 30.101,61 ; D730.1@30.101,58.674 30.101,61 ; D730.1@30.901,58.524 30.901,53.889 v1(31.412,53.378)
  L14_Bot w2: X140.8@1.901,49.599 2.26,49.599 8.4,43.459 8.4,20.3 v1(5.8,17.7) ; v1(12.8,17.7) 12.8,9.213 X150.2@15.143,6.87 X150.1@15.143,4.33 ; v1(31.219,49.215) 31.219,53.185 v1(31.412,53.378) ; v1(54.3,65.1) 54.3,74.045 64.501,84.246 64.501,85.801 66.4,87.7 v1(66.4,88.7) ; v1(82.6,90.1) 82.701,89.999 v1(82.701,89.399) 82.9,89.201 v1(82.9,88.5) v1(82.9,79)
  other v1: 6.3,48.3 8.2,48.3 12.7,48.3 4.6,48.4 10.3,48.4 31.9,49.9 30.6,50 31.791,52.034 30.6,52.4 20.913,57.709 54,64.2 55.3,64.9 53.4,65.1 83.6,77.5 66.6,87.7 67.7,88.2 82.1,88.8 67.7,89.2
Vout_Meas: R721.1 R722.1 X110.5B X140.9 X400.1 | length 141.8
  L1_Top w0.3: X140.9@1.901,47.059 37.708,47.059 41.298,50.649 45.429,50.649 47.814,53.033 77.833,53.033 78.065,52.801 v1(78.2,52.801) ; R721.1@64.001,62.399 65.699,62.399 R722.1@65.7,62.4 65.712,62.388 v1(65.712,61.381) ; v1(65.6,59.2) 65.671,59.271 78.099,59.271 v1(78.17,59.343) ; v1(78.1,54.9) 78.235,54.9 78.623,54.512 X110.5B@110.93,54.512
  L14_Bot w0.3: v1(65.6,59.2) 65.656,59.256 65.656,61.325 v1(65.712,61.381) ; X400.1@78.17,65.1 v1(78.17,59.343) 78.135,59.308 78.135,54.935 v1(78.1,54.9) 78.15,54.85 78.15,52.851 v1(78.2,52.801)
VS_Buck: "GATE DRIVER.6" "PULL DOWN.5" "PULL DOWN.6" "PULL DOWN.7" "PULL DOWN.8" "PULL UP.1" "PULL UP.2" "PULL UP.3" "VS BUCK.1" C402.1 L420.1 | length 33.2
  L1_Top w1: 35.701,70.759 35.701,73.299 37.951,73.299 38.176,73.524 39.596,73.524 39.946,73.874 40.862,73.874 42.887,75.899 49.401,75.899 50.9,74.4 ; 49.401,78.899 51.401,76.899 51.401,74.799
  L1_Top w3: 52.524,74.799 53.931,74.799 54.101,74.969 55.421,73.649 59.626,73.649 59.901,73.374 L420.1@59.901,72.599
  other v1: 36.501,70.699
Zener_20V: D203.1 R202.1 R203.2 | length 29.4
  L1_Top w0.3: v1(11.101,117.099) 11.201,117.199 11.626,117.199 12.526,118.099 R203.2@12.901,118.099 ; v1(14.433,115.209) 16.09,115.209 R202.1@16.201,115.099 17.701,115.099 v1(17.801,115.199) ; v1(17.801,116.999) v1(24.001,116.999) ; D203.1@23.65,107.15 23.65,107.375 23.8,107.525 24.145,107.525 24.27,107.65 v1(24.406,107.65)
  L14_Bot w0.3: v1(11.101,117.099) 11.101,115.374 11.276,115.199 14.422,115.199 v1(14.433,115.209) ; v1(17.801,115.199) v1(17.801,116.999) ; v1(24.001,116.999) 24.001,108.19 24.406,107.785 v1(24.406,107.65)
pads on no net: E100.1 E101.1 E102.1 MP100. MP101. MP102. MP103. S122. S200. S800. S801. S802. S814.

## Polygon pours and split planes (outlines as drawn)
NetC210_1 on L1_Top "NETC210_1_L01_P022" (solid, remove dead copper, pour order 22): 3.576,97.724 5,96.3 5,91.865 28.1,92.144 28.1,95.149 56.6,95.149 56.8,115 13.438,114.762 3.576,104.9
Vin_RevPol on L1_Top "VIN_REVPOL_L01_P005" (solid, remove dead copper, pour order 5): 1.8,101.7 2.1,102 2.1,114.2 4.1,114.2 7,117.1 8.1,116 36.4,116 36.4,109.3 36.5,109.2 34.199,106.899 20.399,106.899 15.049,101.549 1.901,101.549
Vin on L1_Top "NONET_L01_P003" (solid, remove dead copper, shelved, pour order 3): 0.9,82.5 7.7,82.5 11.3,86.1 11.3,86.7 24.7,86.7 34.4,77 34.4,69.6 1.2,69.6 1,69.8
GND on L1_Top "GND_L01_P023" (solid, remove dead copper, pour order 23): 0,0 125.048,0 125.048,120.099 0.001,120.099
Vout on L1_Top "VOUT_L01_P011" (solid, remove dead copper, pour order 11): 2.9,50.5 13.1,50.5 16.2,47.4 16.2,6 15.6,5.4 2.7,5.4 2.6,5.5
Vout on L1_Top "VOUT_L01_P016" (solid, remove dead copper, pour order 16): 64.3,86.404 64.3,89.9 64.6,90.2 65,89.8 70.6,89.8 70.6,91.5 72.4,93.3 72.4,93.4 82.9,93.4 86.3,90 86.3,85.004
Vin on L1_Top "VIN_L01_P021" (solid, remove dead copper, pour order 21): 70.275,107.25 70.325,107.2 74.7,107.2 74.7,103.7 74,103 61.4,103 60.3,104.1 60.3,105.4 69.2,105.4 70.275,106.475
NetX100_1 on L1_Top "NETX100_1_L01_P000" (solid, remove dead copper, pour order 0): 26,102.2 26,106.9 35.1,106.9 35.5,106.5 35.5,102.3 35.3,102.3
Vout on L1_Top "VOUT_L01_P010" (solid, remove dead copper, pour order 10): 23.7,58.3 23.7,62.6 27.5,66.4 52.9,66.4 53.4,65.9 52.6,65.1 52.6,60.327 51.973,59.7 39.2,59.7 39.2,59.8 38.1,60.9 33.5,60.9 33.5,48.9 32.3,47.7 23.8,47.7
VS_Buck on L1_Top "VS_BUCK_L01_P007" (solid, remove dead copper, pour order 7): 56.5,69.2 52.3,69.2 52.3,74.9 48.9,78.3 48.9,79.1 51.5,79.1 52.5,79.1 65.3,79.1 65.3,67.6 64.6,66.9 58.8,66.9 58.4,67.3
GND on L14_Bot "GND" (solid, remove dead copper, pour order 24): 0,0 125.048,0 125.048,120.099 0.001,120.099
Vin_RevPol on L14_Bot "VIN_REVPOL_L02_P004" (solid, remove dead copper, pour order 4): 2.8,88.7 3.5,89.4 12.8,89.4 17.2,93.8 17.2,119.7 1.6,119.7 0.3,118.4 0.3,89.199 0.701,88.799
Vin_RevPol on L14_Bot "VIN_REVPOL_L02_P001" (solid, remove dead copper, pour order 1): 34.1,111.7 30.8,115 30.8,119.4 59.3,119.4 60.9,117.8 60.9,111.3 57.8,111.3 56.1,109.6 35.7,109.6
Vin on L14_Bot "VIN_L02_P006" (solid, remove dead copper, pour order 6): 39.3,93.3 42,93.3 42.3,93 42.3,80.6 34,80.6 33.1,79.7 32.7,80.1 19.2,80.1 19.2,87.41 19.011,87.599 21.07,87.599 21.07,87.33 25.85,82.55 28.804,82.55 28.804,82.804
Vout on L14_Bot "VOUT_L02_P015" (solid, remove dead copper, pour order 15): 85.686,75.786 86.1,76.2 86.1,90.3 81.6,90.3 79.9,88.6 79.9,75.816
Vout on L14_Bot "VOUT_L02_P014" (solid, remove dead copper, pour order 14): 54,64.6 61.4,64.6 67.9,71.1 67.9,89.2 65.8,89.2 63.9,87.3 63.9,80.4 54,70.5
Vout on L14_Bot "VOUT_L02_P012" (solid, remove dead copper, pour order 12): 3.3,44 3.4,44.1 3.4,50.8 12.7,50.8 14.761,48.739 14.761,7.161 13.1,5.5 3.1,5.5

## Silkscreen, mask and mechanical layers (free items; w line width, h text height)
Top Overlay:
  drawing of 308 lines, arcs and shapes, not listed
  text "LATCH" at 108.647,119.492 h1.7 r270
  text "Reverse Polarity Protection" at 41.001,118.21 h2.3 r270
  text "Over-Voltage Protection" at 27,117.4 h2.3 r270
  text "Input Current Measurement" at 51.901,116.399 h2.3
  text "Measured Input Current" at 84.647,116.136 h1.52
  text "Measurement Internally" at 56.4,115 h2 r270
  text "Measurement Externally" at 48.5,114.9 h2 r270
  text "Current Sense Amplifier" at 72.147,108.636 h2
  text "INT / NTC / Calibration" at 97.701,107.899 h1.7
  text "Shunt resistor" at 64.2,103.185 h2
  text "Power Supply" at 26.901,98.099 h2.3
  text "Fault Reset" at 82.801,97.399 h1.7
  text "On" at 0.201,97.299 h2.3 r270
  text "Power" at 4.301,97.299 h2.3 r270
  text "12V LDO" at 24.701,95.199 h1.7
  text "Error Flags" at 110.601,94.999 h2 r270
  text "5V Buck" at 39.401,94.799 h1.7
  text "3V3 LDO" at 57.301,94.699 h1.7
  text "Safety  / Comparator" at 110.555,94.36 h1.7
  text "Overcurrent" at 112.701,92.599 h2
  text "220uF" at 79.8,91 h1.5 r270
  text "3x 10uF" at 74.3,90.93 h1.5 r270
  text "Undervolt" at 112.301,86.399 h2
  text "Off" at 0.201,85.154 h2.3 r270
  text "Overtemp Ext" at 112.301,80.599 h2
  text "Input Voltage" at 0.301,77.499 h2 r270
  text "Buck Switching" at 26.201,76.199 h2.3
  text "Inductor Ext" at 87.5,74.3 h1.6 r270
  text "Overtemp Int" at 112.301,74.199 h2
  text "EXT / NTC" at 105.801,73.399 h1.7 r270
  text "External" at 12.201,68.999 h1.5 r270
  text "Arduino" at 23.901,68.899 h1.5 r270
  text "BUCK CNTRL" at 14.601,68.199 h2
  text "Vin" at 3.501,67.17 h2
  text "Inductor" at 60.801,64.899 h1.6
  text "12 V" at 3.501,64.315 h2
  text "Analyzer" at 51.9,64.1 h1.5
  text "Filter Cap" at 73.7,61.8 h1.6
  text "5 V" at 3.501,61.753 h2
  text "Buck / Cntrl" at 40.501,61.099 h2
  text "LEARNING PLATFORM / FOR / SWITCHING REGULATORS V2.1" at 115.5,60.85 h1.52 r270
  text "3.3 V" at 3.501,59.229 h2
  text "Current" at 11.1,56.7 h2 r270
  text "Inductor / Current" at 24.501,56.699 h1.5 r270
  text "GND" at 3.501,56.594 h2
  text "NTC X" at 102.3,56 h1
  text "INPUT" at 3.501,53.886 h2
  text "VOUT" at 102.8,53.6 h1
  text "IND." at 3.501,51.362 h2
  text "USER BTN1" at 64.8,51.2 h1
  text "VIN" at 103.4,51.2 h1
  text "Vout" at 3.501,48.727 h2
  text "CNTRL 1" at 64.7,48.6 h1
  text "USER POT1" at 100,48.6 h1
  text "Vin / Measurement" at 46.101,47.024 h1.3
  text "Vmeas" at 3.501,46.239 h2
  text "IND. CURRENT" at 97,46.1 h1
  text "CNTRL 2" at 64.688,45.939 h1
  text "INP. CURRENT" at 97.102,43.61 h1
  text "PWM" at 3.501,43.568 h2
  text "CNTRL 3" at 64.598,43.533 h1
  text "LED 4" at 20.3,42.1 h1.6
  text "PWM" at 64.808,41.067 h1
  text "USER SW" at 38,40.1 h1.7 r270
  text "OFF" at 40.222,39.955 h1.8
  text "USER BTN2" at 65,38.4 h1
  text "LED 3" at 20.5,37.3 h1.6
  text "GND" at 104.161,35.909 h1
  text "SHUTDOWN" at 64.8,34.4 h1
  text "GND" at 104.3,33.3 h1
  text "LED 2" at 19.9,32.4 h1.6
  text "USER BTN1" at 3.9,32.1 h1
  text "USER LED1" at 64.8,31.7 h1
  text "5V" at 104.3,30.8 h1
  text "USER BTN2" at 3.7,29.4 h1
  text "USER LED2" at 64.9,29.1 h1
  text "ON" at 40.2,27.7 h1.8
  text "LED 1" at 20.3,27.3 h1.6
  text "USER LED3" at 64.723,26.739 h1
  text "USER SW" at 3.8,26.7 h1
  text "RESET" at 104.1,25.8 h1
  text "USER LED1" at 3.834,24.32 h1
  text "USER SW" at 64.7,24.2 h1
  text "Load2" at 24.8,23.8 h2.3 r270
  text "Load1" at 14.6,23.7 h2.3 r270
  text "Load Resistor Switching" at 14.6,23.7 h2
  text "Load3" at 35.2,23.7 h2.3 r270
  text "ON" at 27.823,22.1 h1.8
  text "ON" at 38.323,22.1 h1.8
  text "ON" at 17.956,21.9 h1.8
  text "USER LED2" at 3.834,21.82 h1
  text "USER LED4" at 64.6,21.7 h1
  text "USER LED3" at 3.934,19.12 h1
  text "Reset" at 115.3,17.7 h2.3 r270
  text "USER POT1" at 3.694,16.702 h1
  text "NC" at 3.8,14 h1
  text "OFF" at 38.414,11.444 h1.8
  text "OFF" at 28,11.4 h1.8
  text "OFF" at 18,11.2 h1.8
  text "User Btn 2" at 70.1,1.7 h1.7
  text "User Btn 1" at 52.9,1.6 h1.7
  text "Power MOSFETs" at 32.1,0.1 h2
Bottom Overlay:
  drawing of 10 lines, arcs and shapes, not listed
  text "NTC_EXT" at 124.801,55.899 h1
  text "VOut Meas" at 124.601,53.585 h1
  text "USER BTN1" at 58.745,50.994 h1
  text "VIn Meas" at 124.601,50.898 h1
  text "User Pot1" at 124.2,48.7 h1
  text "CNTRL1" at 58.445,48.294 h1
  text "Ind Current" at 124.8,46.3 h1
  text "CNTRL2" at 58.645,46.194 h1
  text "In Current" at 124.3,43.9 h1
  text "CNTRL3" at 58.345,43.794 h1
  text "BUCK CNTRL" at 58.845,40.794 h1
  text "USER BTN2" at 58.745,38.594 h1
  text "GND" at 118.5,36.3 h1
  text "SHUTDOWN" at 58.645,34.194 h1
  text "GND" at 118.6,33.9 h1
  text "USER LED1" at 58.545,31.794 h1
  text "5V" at 117.9,31.1 h1
  text "USER LED2" at 58.445,29.194 h1
  text "USER LED3" at 58.545,26.594 h1
  text "RESET" at 119,25.8 h1
  text "USER SW" at 57.645,24.494 h1
  text "USER LED4" at 58.545,21.794 h1
  text "GND" at 54.345,19.294 h1
M1 (CMP_Body_Top):
  lines w0.001: 0,0 0,120.1 125.1,120.1 125.1,0.001 ; 0.1,0 125.1,0
Top Assembly Text Top:
  text "MP102" at 121.501,118.199 h1.2 r270
  text "MP103" at 1.601,112.399 h1.2 r270
  text "X101" at 53.851,108.185 h1.2 r270
  text "S200" at 2.201,106.399 h1.2 r270
  text "TP102" at 112.801,102.699 h1.2 r270
  text "TP 630" at 45.801,97.399 h1.2 r270
  text "TP105" at 74.001,90.399 h1.2 r270
  text "D320" at 54.701,82.099 h1.2 r270
  text "TP211" at 22.701,74.199 h1.2 r270
  text "X103" at 8.001,69.499 h1.2
  text "S810" at 93.901,68.799 h1.2 r270
  text "TP532" at 69.501,66.999 h1.2
  text "S560" at 120.301,65.899 h1.2
  text "TP320" at 55.089,65.081 h1.2
  text "TP104" at 29.201,62.799 h1.2 r270
  text "S812" at 94.301,59.899 h1.2 r270
  text "X140" at 5.501,58.099 h1.2 r270
  text "TP160" at 122.301,57.999 h1.2
  text "S814" at 82.101,52.399 h1.2 r270
  text "TP103" at 76.901,49.499 h1.2 r270
  text "TP401" at 32.301,47.799 h1.2 r270
  text "JP421" at 10.701,46.899 h1.2
  text "X400" at 52.701,46.485 h1.2 r270
  text "JP122" at 32.501,40.199 h1.2 r270
  text "X808" at 66.389,38.722 h1.2
  text "X806" at 86.401,38.599 h1.2
  text "X805" at 78.501,38.499 h1.2
  text "X801" at 95.901,37.841 h1.2
  text "TP431" at 3.701,35.299 h1.2
  text "TP400" at 36.601,34.999 h1.2 r270
  text "S802" at 85.701,33.799 h1.2 r270
  text "S800" at 64.701,33.499 h1.2 r270
  text "S801" at 75.001,33.499 h1.2 r270
  text "X720" at 44.601,28.608 h1.2 r270
  text "R170" at 52.001,25.974 h1.2
  text "S110" at 122.201,25.399 h1.2
  text "X102" at 17.401,24.399 h1.2
  text "TP600" at 7.701,22.199 h1.2 r270
  text "JP710" at 30.701,22.199 h1.2 r270
  text "X105 (Solder Jumper)" at 52.101,21.057 h1.2 r270
  text "MP100" at 1.601,19.499 h1.2 r270
  text "TP100" at 45.716,18.667 h1.2 r270
  text "X150" at 62.801,18.223 h1.2 r270
  text "TP101" at 107.301,15.499 h1.2 r270
  text "MP101" at 121.801,14.999 h1.2 r270

## Text inside footprints (layer, text, board x,y; h text height)
C210: M13 (CMP_Body_OTL_Top) "+" at 14.396,95.207 h0.6 r270; M13 (CMP_Body_OTL_Top) "-" at 14.421,88.146 h0.6 r270
C212: M13 (CMP_Body_OTL_Top) "-" at 11.596,76.548 h0.6 r270; M13 (CMP_Body_OTL_Top) "+" at 11.621,80.307 h0.6 r270
C701: M13 (CMP_Body_OTL_Top) "-" at 97.595,70.099 h0.6 r270; M13 (CMP_Body_OTL_Top) "+" at 97.621,73.858 h0.6 r270
C715: M13 (CMP_Body_OTL_Top) "+" at 92.021,91.107 h0.6 r270; M13 (CMP_Body_OTL_Top) "-" at 91.996,87.348 h0.6 r270
D210: M13 (CMP_Body_OTL_Top) "A" at 5.221,83.719 h0.6 r270; M13 (CMP_Body_OTL_Top) "K" at 5.196,84.685 h0.6 r270; Top Overlay "A" at 5.001,82.399 h1 r270; Top Overlay "K" at 5.101,86.199 h1 r270
D502: M13 (CMP_Body_OTL_Top) "K" at 116.796,85.185 h0.6 r270; M13 (CMP_Body_OTL_Top) "A" at 116.821,84.219 h0.6 r270; Top Overlay "K" at 117.6,86.2 h1 r270; Top Overlay "A" at 117.6,83.4 h1 r270
D503: M13 (CMP_Body_OTL_Top) "K" at 116.696,79.285 h0.6 r270; M13 (CMP_Body_OTL_Top) "A" at 116.721,78.319 h0.6 r270; Top Overlay "K" at 117.6,79.8 h1 r270; Top Overlay "A" at 117.6,77.3 h1 r270
D504: M13 (CMP_Body_OTL_Top) "A" at 116.921,71.419 h0.6 r270; M13 (CMP_Body_OTL_Top) "K" at 116.896,72.385 h0.6 r270
D550: M13 (CMP_Body_OTL_Top) "K" at 116.796,91.385 h0.6 r270; M13 (CMP_Body_OTL_Top) "A" at 116.821,90.419 h0.6 r270; Top Overlay "K" at 117.6,92.4 h1 r270; Top Overlay "A" at 117.417,89.336 h1 r270
D741: M13 (CMP_Body_OTL_Top) "K" at 22.595,15.086 h0.6 r270; M13 (CMP_Body_OTL_Top) "A" at 22.621,14.121 h0.6 r270; Top Overlay "A" at 22.5,12 h1; Top Overlay "K" at 22.6,15.8 h1
D801: M13 (CMP_Body_OTL_Top) "K" at 29.405,27.814 h0.6 r90; M13 (CMP_Body_OTL_Top) "A" at 29.379,28.779 h0.6 r90; Top Overlay "K" at 28.8,26.2 h1; Top Overlay "A" at 28.8,29.8 h1
D804: M13 (CMP_Body_OTL_Top) "K" at 32.795,15.386 h0.6 r270; M13 (CMP_Body_OTL_Top) "A" at 32.821,14.421 h0.6 r270; Top Overlay "K" at 32.8,16.1 h1; Top Overlay "A" at 32.8,12.3 h1
D805: M13 (CMP_Body_OTL_Top) "K" at 43.195,15.286 h0.6 r270; M13 (CMP_Body_OTL_Top) "A" at 43.221,14.321 h0.6 r270; Top Overlay "K" at 43.2,16.2 h1; Top Overlay "A" at 43.2,12.2 h1
D806: M13 (CMP_Body_OTL_Top) "K" at 29.405,32.814 h0.6 r90; M13 (CMP_Body_OTL_Top) "A" at 29.379,33.779 h0.6 r90; Top Overlay "K" at 28.8,31.2 h1; Top Overlay "A" at 28.8,34.8 h1
D807: M13 (CMP_Body_OTL_Top) "A" at 29.479,38.679 h0.6 r90; M13 (CMP_Body_OTL_Top) "K" at 29.505,37.714 h0.6 r90; Top Overlay "A" at 28.9,39.7 h1; Top Overlay "K" at 28.9,36.1 h1
D808: M13 (CMP_Body_OTL_Top) "K" at 29.505,42.514 h0.6 r90; M13 (CMP_Body_OTL_Top) "A" at 29.479,43.479 h0.6 r90; Top Overlay "K" at 29,40.9 h1; Top Overlay "A" at 28.9,44.5 h1
R211: M13 (CMP_Body_OTL_Top) "V" at 71.07,107.222 h0.4 r180; M13 (CMP_Body_OTL_Top) "I" at 71.02,108.06 h0.4 r180; M13 (CMP_Body_OTL_Top) "I" at 68.581,108.035 h0.4 r180; M13 (CMP_Body_OTL_Top) "V" at 68.657,107.171 h0.4 r180; Top Overlay "V" at 66.8,106.7 h0.4 r180; Top Overlay "V" at 72.9,106.6 h0.4 r180; Top Overlay "I" at 72.8,108.7 h0.4 r180; Top Overlay "I" at 66.8,108.2 h0.4 r180
SHUNT: M13 (CMP_Body_OTL_Top) "V" at 18.03,57.137 h0.4; M13 (CMP_Body_OTL_Top) "I" at 18.081,56.299 h0.4; M13 (CMP_Body_OTL_Top) "I" at 20.52,56.324 h0.4; M13 (CMP_Body_OTL_Top) "V" at 20.443,57.188 h0.4; Top Overlay "V" at 22.526,57.659 h0.4; Top Overlay "I" at 22.602,56.259 h0.4; Top Overlay "I" at 15.922,56.259 h0.4; Top Overlay "V" at 15.859,57.659 h0.4
X110: M12 (Dimension_Bot) "1" at 78.316,59.364 h1.2 r90; M12 (Dimension_Bot) "1" at 106.256,59.313 h1.2 r90; M12 (Dimension_Bot) "1" at 111.26,7.217 h1.2 r90; M12 (Dimension_Bot) "1" at 63.051,8.513 h1.2 r90